# Altium PCB ArcadeTestHAT 05.PcbDoc (part 1 of 2)
Units mm, origin at the board's own origin, x right, y up, seen from the top; angles counter-clockwise.
Board outline 95 x 80.5 mm, 2 copper layers (Top Layer, Bottom Layer), stack 1.525 mm thick; 136 components, 129 nets, 475 pads, 218 vias.
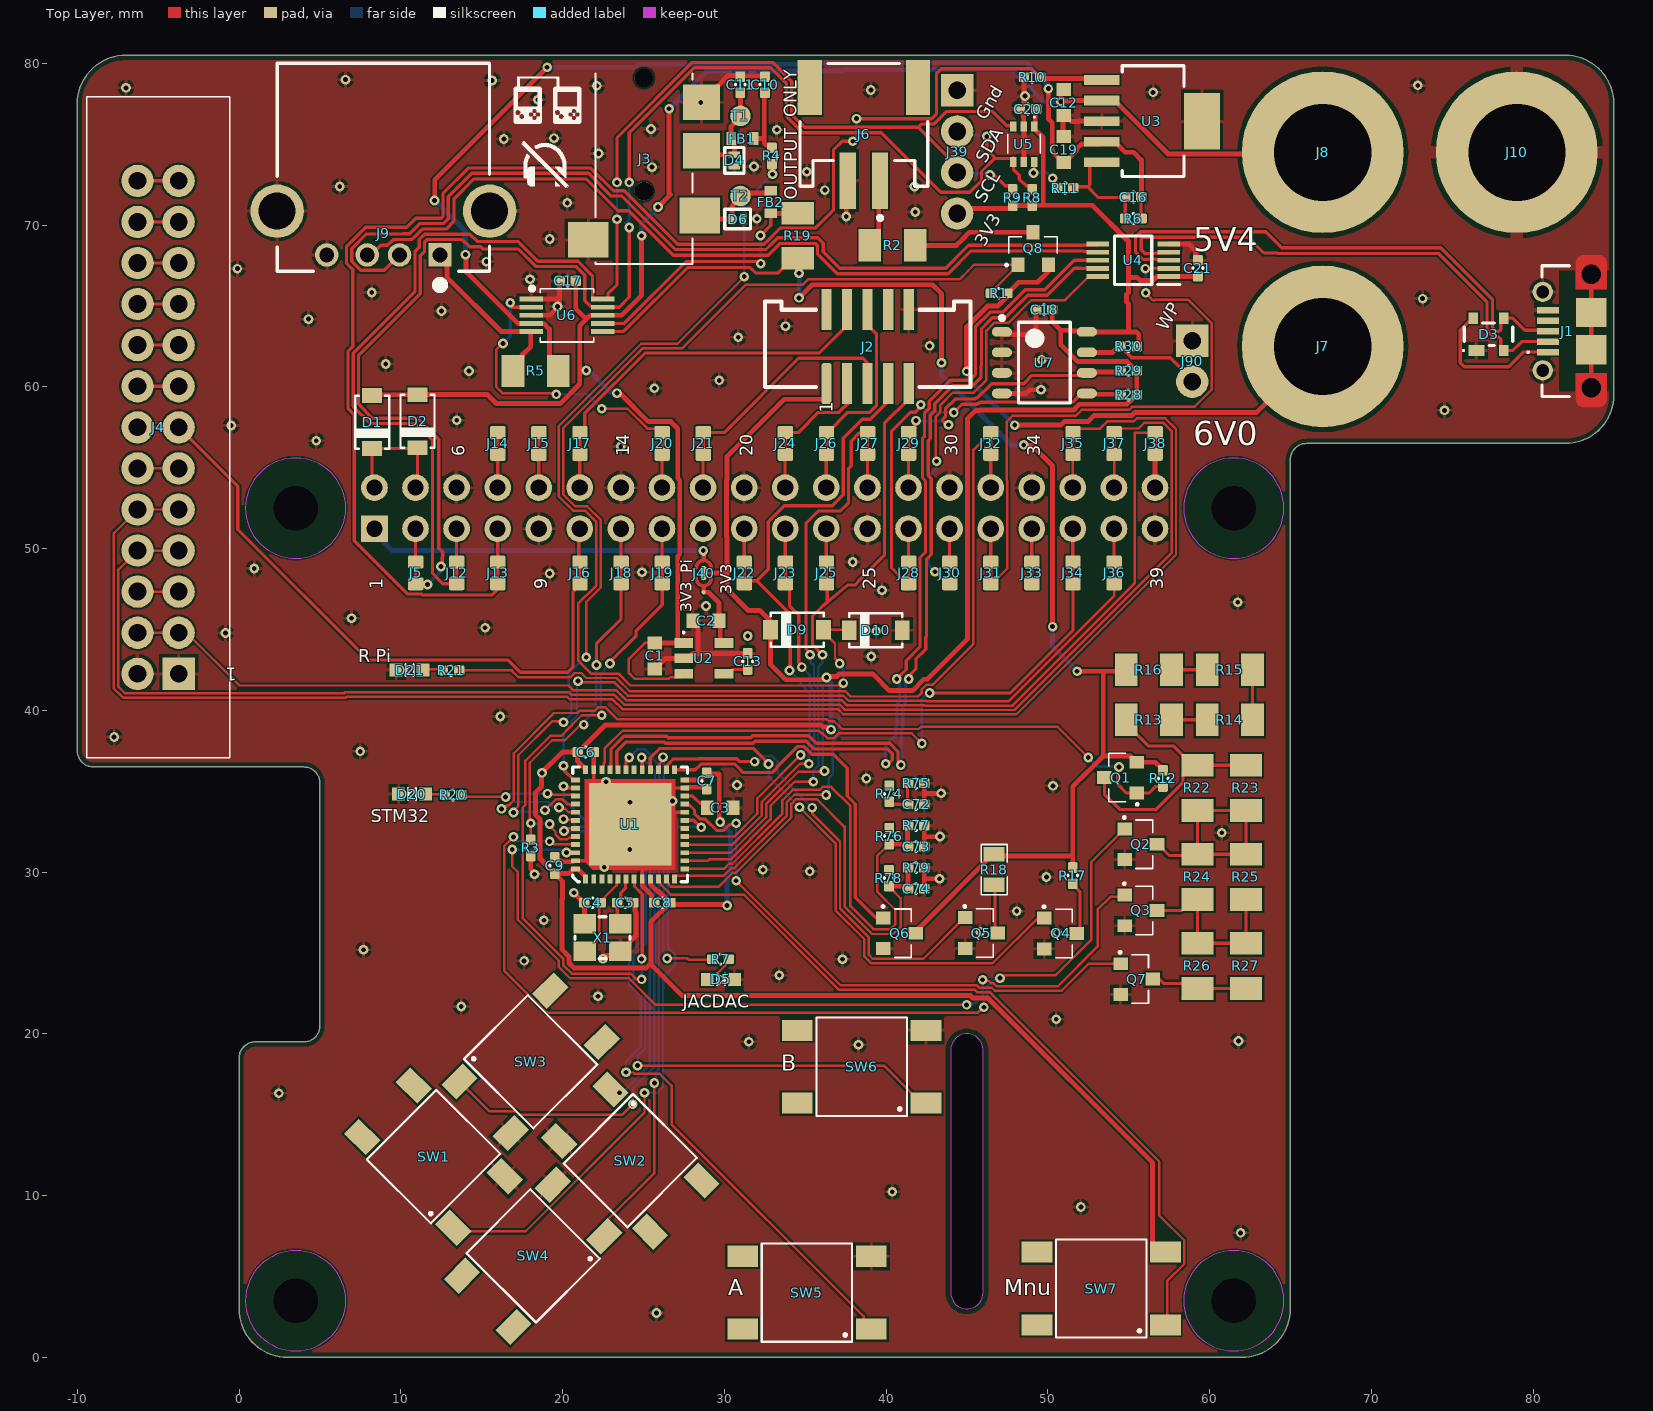
[diagram p0: Top Layer view]
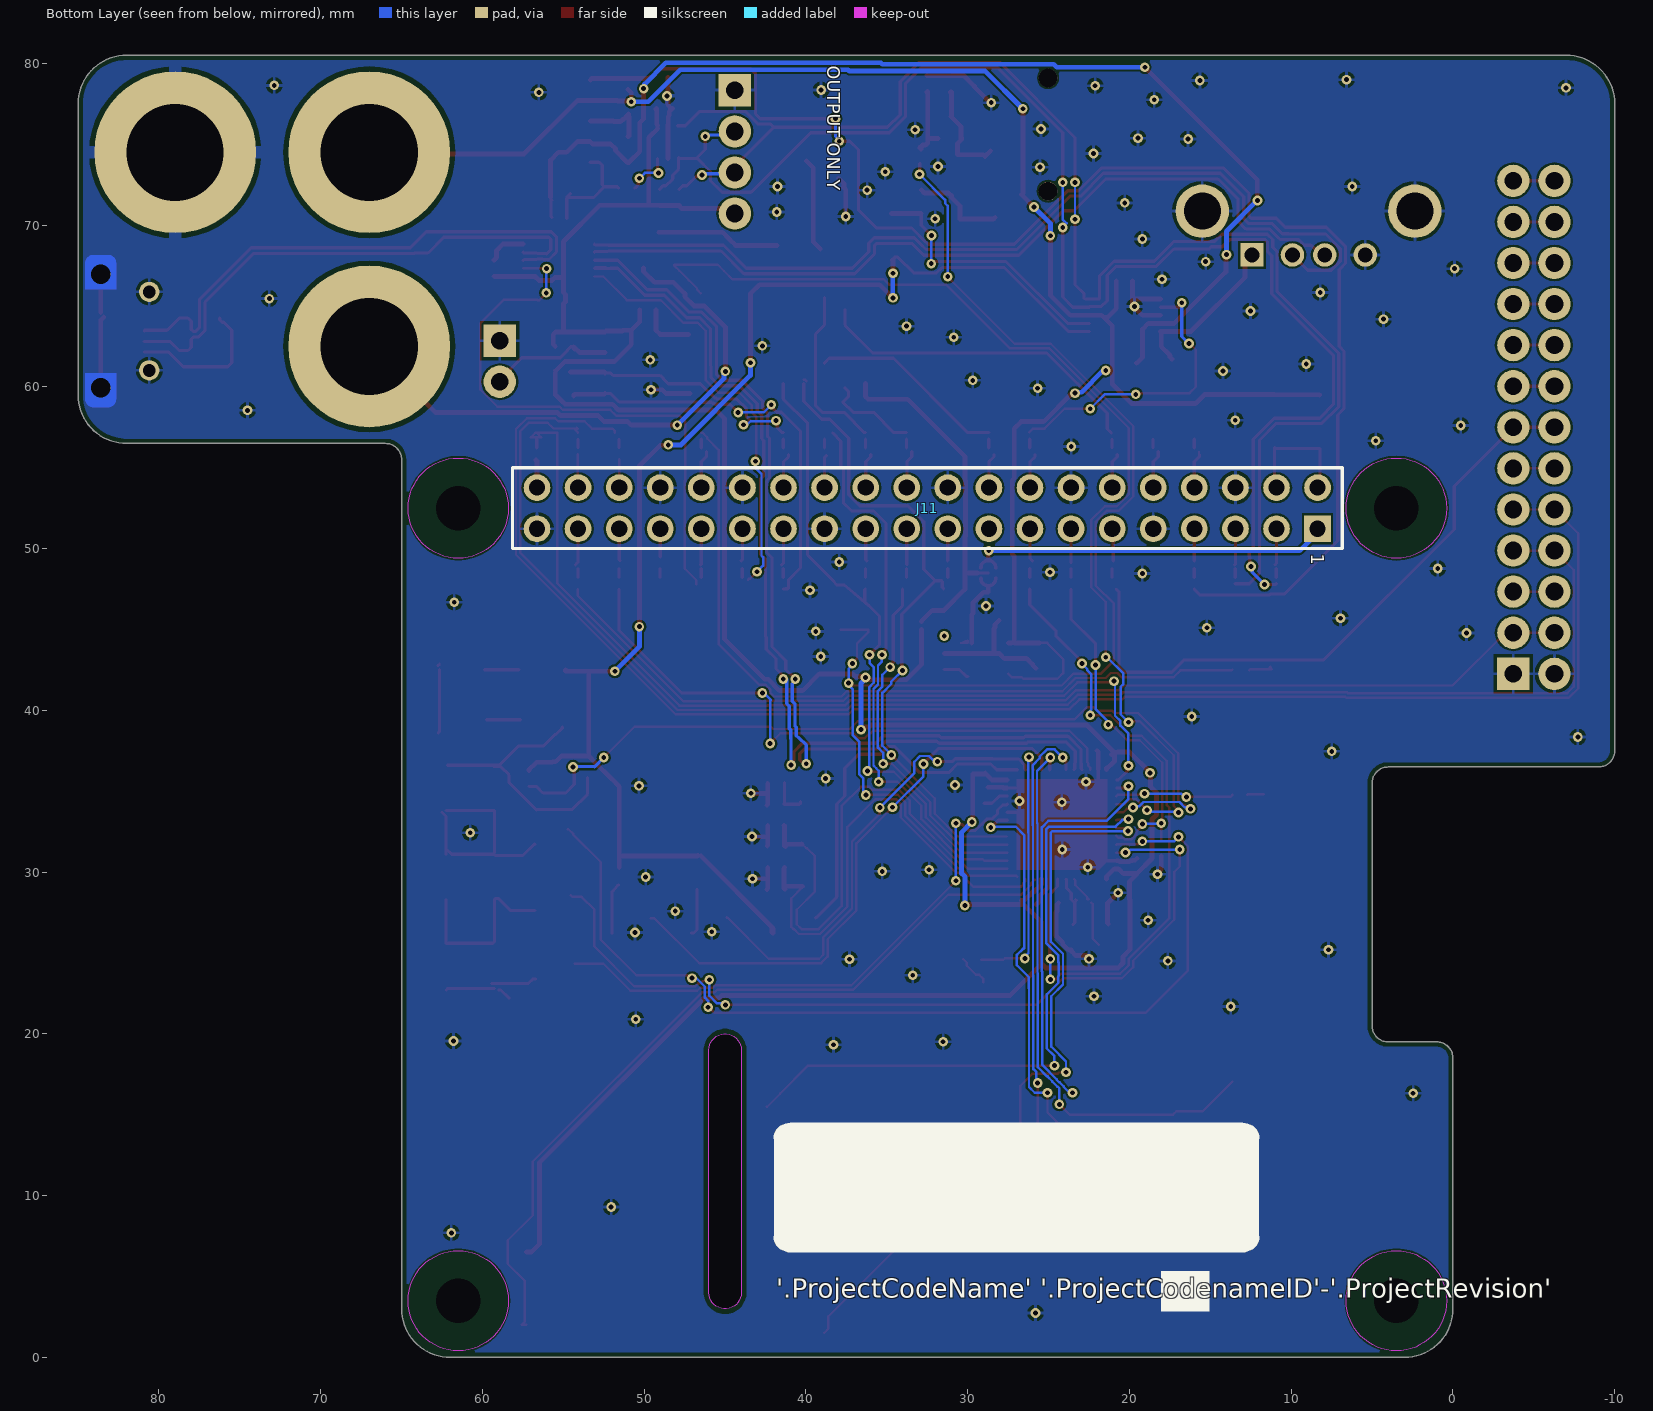
[diagram p1: Bottom Layer view, seen from below]

## Layer stack, top to bottom
Top Solder: solder mask 0.0102, Solder Resist, Dk 3.5
Top Layer: signal copper 0.0356
Dielectric 1: core 1.454, FR-4, Dk 4.2
Bottom Layer: signal copper 0.0356
Bottom Solder: solder mask 0.0102, Solder Resist, Dk 3.5

## Board outline
0,3 0,18.5 cw(c1,18.5) 1,19.5 4,19.5 ccw(c4,20.5) 5,20.5 5,35.5 ccw(c4,35.5) 4,36.5 -9,36.5 cw(c-9,37.5) -10,37.5 -10,77.5 cw(c-7,77.5) -7,80.5 82,80.5 cw(c82,77.5) 85,77.5 85,59.5 cw(c82,59.5) 82,56.5 66,56.5 ccw(c66,55.5) 65,55.5 65,3 cw(c62,3) 62,0 3,0 cw(c3,3)
cut-out: 44,4 ccw(c45,4) 46,4 46,19 ccw(c45,19) 44,19

## Design rules (kind name [scope] priority, off if disabled: settings)
AssemblyTestPointUsage [All] p1: valid=2
BoardOutlineClearance [All] p1: gap=0.3 ignorepadtopadclearanceinfootprint=FALSE except(0: Arc-SplitContinuation Track-SplitContinuation SMDPad-SplitContinuation THPad-SplitContinuation Via-SplitContinuation Fill-SplitContinuation Poly-SplitContinuation Region-SplitContinuation Text-SplitContinuation)
Clearance Clearance_1 [(InComponent('J7') OR InComponent('J8'))] p1: gap=0.3 ignorepadtopadclearanceinfootprint=FALSE
Clearance [All] p2: gap=0.125 ignorepadtopadclearanceinfootprint=FALSE except(0: Arc-Hole Track-Hole SMDPad-Hole THPad-Hole Via-Hole Fill-Hole Poly-Hole Region-Hole Text-Hole)
DiffPairsRouting [All] p1: maxlimit=0.2 minlimit=0.15 mostfreqgap=0.15 toplayer_minwidth=0.15 toplayer_maxwidth=0.2 toplayer_prefwidth=0.15 bottomlayer_minwidth=0.15 bottomlayer_maxwidth=0.2 bottomlayer_prefwidth=0.15 maxuncoupledlength=12.7
FabricationTestPointUsage [All] p1: valid=2 allowmultiple=FALSE
HoleSize [All] p1: absolutevalues=TRUE maxlimit=6.5 minlimit=0.2 maxpercent=80.000 minpercent=20.000
MinimumSolderMaskSliver [All] p1: minsoldermaskwidth=0.005
PasteMaskExpansion [All] p1: expansion=-0.03
PlaneClearance [All] p1: clearance=0.3
PlaneConnect [All] p1: planeconnectstyle=Relief reliefexpansion=0.5 reliefentries=4 reliefconductorwidth=0.2 reliefairgap=0.3
PolygonConnect "PolygonConnect via" [isVIA] p1: connectstyle=Relief reliefconductorwidth=0.2 reliefentries=4 polygonreliefangle="90 Angle" airgapwidth=0.2
PolygonConnect "PolygonConnect J10" [InComponent('J10')] p2: connectstyle=Relief reliefconductorwidth=0.8 reliefentries=4 polygonreliefangle="90 Angle" airgapwidth=0.3
PolygonConnect [All] p3: connectstyle=Relief reliefconductorwidth=0.2 reliefentries=4 polygonreliefangle="90 Angle" airgapwidth=0.2
RoomDefinition "ArcadeTestHAT 05-1.1 MCU" [InComponentClass('ArcadeTestHAT 05-1.1 MCU')] p1: confinementstyle=ConfineIn formatcopy=TRUE lockcomponents=FALSE outline -31.282,-12.192 101.092,-12.192 101.092,92.532 -31.282,92.532
RoomDefinition "ArcadeTestHAT 05-1.1 Pi interface" [InComponentClass('ArcadeTestHAT 05-1.1 Pi interface')] p2: confinementstyle=ConfineIn formatcopy=TRUE lockcomponents=FALSE outline -29.25,-14.224 103.124,-14.224 103.124,90.5 -29.25,90.5
RoutingVias [All] p1: holewidth=0.3 width=0.6 viastyle="Through Hole" minholewidth=0.3 minwidth=0.6 maxholewidth=0.3 maxwidth=0.8
SilkToSilkClearance [All] p1: silktosilkclearance=0.001
SilkToSolderMaskClearance [IsPad] p1: minsilkscreentomaskgap=0.05 clearancetoexposedcopper=TRUE
SolderMaskExpansion [All] p1: expansion=0.075 istentingtop=FALSE
Width Width_1 [InNetClass('power nets')] p1: maxlimit=2 minlimit=0.15 preferedwidth=0.3
Width [All] p2: maxlimit=2 minlimit=0.15 preferedwidth=0.15 minimp=50.000000 maximp=50.000000 favimp=50.000000
20 further rules are at their usual default settings.

## Classes and differential pairs
component class "ArcadeTestHAT 05-1.1 Pi interface": C1 C2 C12 C13 C16 C17 C18 C19 C20 C21 D1 D2 D3 D20 D21 J1 J2 J4 J5 J7 J8 J9 J10 J12 J13 J14 J15 J16 J17 J18 J19 J20 J21 J22 J23 J24 J25 J26 J27 J28 J29 J30 J31 J32 J33 J34 J35 J36 J37 J38 J39 J40 J90 R5 R6 R8 R9 R10 R11 R20 R21 R28 R29 R30 U2 U3 U4 U5 U6 U7
component class "ArcadeTestHAT 05-1.1 MCU": C3 C4 C5 C6 C7 C8 C9 C10 C11 C72 C73 C74 D4 D5 D6 D9 D10 FB1 FB2 J3 J6 Q1 Q2 Q3 Q4 Q5 Q6 Q7 Q8 R1 R2 R3 R4 R7 R12 R13 R14 R15 R16 R17 R18 R19 R22 R23 R24 R25 R26 R27 R74 R75 R76 R77 R78 R79 SW1 SW2 SW3 SW4 SW5 SW6 SW7 T1 T2 T12 U1 X1
differential pair USB: +USB_P -USB_N
differential pair MCU_USB: +MCU_USB_P -MCU_USB_N
differential pair DUT_USB: +DUT_USB_P -DUT_USB_N

## Components (designator, comment, footprint, x,y, rotation, side; value= is the part's Value field where it differs from the comment)
C1 "CL10A475KP8NNNC" "CAP 0603 (1608) x 1.2mm" 25.706,43.367 r90 top
C2 "CL10A475KP8NNNC" "CAP 0603 (1608) x 1.2mm" 28.875,45.55 r0 top
C3 "CL10A475KP8NNNC" "CAP 0603 (1608) x 1.2mm" 29.75,33.981 r180 top
C4 "CAP0402_GENERIC 12pF" CAP0402 21.852,28.107 r0 top value=12pF
C5 "CAP0402_GENERIC 12pF" CAP0402 23.884,28.107 r180 top value=12pF
C6 "0402YG104ZAT2A" CAP0402 21.432,37.42 r180 top
C7 "0402YG104ZAT2A" CAP0402 28.916,35.635 r90 top
C8 "0402YG104ZAT2A" CAP0402 26.174,28.107 r0 top
C9 "0402YG104ZAT2A" CAP0402 19.52,30.407 r270 top
C10 "CAP0402_GENERIC 33pF" CAP0402 32.512,78.682 r270 top value=33pF
C11 "DNF" CAP0402 30.988,78.682 r270 top value=33pF
C12 "CL10A475KP8NNNC" "CAP 0603 (1608) x 1.2mm" 51,77.576 r90 top
C13 "0402YG104ZAT2A" CAP0402 31.449,43.025 r270 top
C16 "CAP0402_GENERIC 12pF" CAP0402 55.288,71.733 r0 top value=12pF
C17 "0402YG104ZAT2A" CAP0402 20.32,66.548 r0 top
C18 "0402YG104ZAT2A" CAP0402 49.776,64.77 r0 top
C19 "CL10A475KP8NNNC" "CAP 0603 (1608) x 1.2mm" 51,74.672 r270 top
C20 "0402YG104ZAT2A" CAP0402 48.775,77.175 r0 top
C21 "0402YG104ZAT2A" CAP0402 59.284,67.335 r270 top
C72 "0402YG104ZAT2A" CAP0402 41.863,34.19 r180 top
C73 "0402YG104ZAT2A" CAP0402 41.863,31.582 r180 top
C74 "0402YG104ZAT2A" CAP0402 41.863,28.973 r180 top
D1 "MBRX120LF" "MCC SOD-123" 8.225,57.825 r90 top
D2 "MBRX120LF" "MCC SOD-123" 11.035,57.875 r90 top
D3 "DNF" NXP-SOT143B-4_V 77.25,63.25 r90 top
D4 "D5V0P1B2LP" D5V0P1B2LP-7B 30.625,74 r270 top
D5 "SML-D12D" "Rohm SML-D12 Orange" 29.794,23.368 r180 top
D6 "D5V0P1B2LP" D5V0P1B2LP-7B 30.825,70.375 r0 top
D9 "MBRX120LF" "MCC SOD-123" 34.5,44.992 r0 top
D10 "MBRX120LF" "MCC SOD-123" 39.37,44.958 r0 top
D20 "SML-D12D" "Rohm SML-D12 Orange" 10.693,34.823 r0 top
D21 "SML-D12D" "Rohm SML-D12 Orange" 10.541,42.494 r0 top
FB1 "TDK MPZ1608S102ATA00" "TDK MPZ1608 0.8mm" 31.125,75.35 r180 top
FB2 "TDK MPZ1608S102ATA00" "TDK MPZ1608 0.8mm" 32.875,71.425 r90 top
J1 "ZX62D-B-5PA8(30)-whitesch" HIRO-ZX62D-B-5PA8_V-noslots 82.102,63.448 r90 top
J2 "SHF-105-01-L-D-SM-whitesch" "SAMTEC SHF-105-01-L-D-SM - UPDATED SILKSCREEN" 38.862,62.484 r90 top
J3 "SJ2-3574A-SMT" SJ2-3574A-SMT-TR 25.035,81.396 r270 top
J4 "0.1\" shrouded" "GENERIC 2X13 2.54MM HEADER SHROUDED - ALTERNATIVE" -5,57.5 r270 top
J5 "0603-SHORT" 0603-WITH-SHORT 10.92,48.5 r270 top net-tie value=*R
J6 "S2B-PH-SM4-TB(LF)(SN) (originally from Octopart)" "JST- S2B-PH-SM4-TB(LF)(SN)-2_V" 38.632,76.198 r180 top
J7 "4mm" "4mm post red" 67,62.5 r0 top
J8 "4mm" "4mm post red" 67,74.5 r0 top
J9 "TE-292303" "TE-292303-1_V - MH WITH ENLARGED ANNULAR RING" 8.924,69.3 r180 top
J10 "4mm" "4mm post black" 79,74.5 r0 top
J11 "SSW-120-01-G-D" SAMTEC-SSW-120-01-G-D 32.5,52.5 r180 bottom
J12 "0603-SHORT" 0603-WITH-SHORT 13.46,48.5 r270 top net-tie value=*R
J13 "0603-SHORT" 0603-WITH-SHORT 16,48.5 r270 top net-tie value=*R
J14 "0603-SHORT" 0603-WITH-SHORT 16,56.5 r90 top net-tie value=*R
J15 "0603-SHORT" 0603-WITH-SHORT 18.54,56.5 r90 top net-tie value=*R
J16 "0603-SHORT" 0603-WITH-SHORT 21.08,48.5 r270 top net-tie value=*R
J17 "0603-SHORT" 0603-WITH-SHORT 21.08,56.5 r90 top net-tie value=*R
J18 "0603-SHORT" 0603-WITH-SHORT 23.62,48.5 r270 top net-tie value=*R
J19 "0603-SHORT" 0603-WITH-SHORT 26.16,48.5 r270 top net-tie value=*R
J20 "0603-SHORT" 0603-WITH-SHORT 26.16,56.5 r90 top net-tie value=*R
J21 "0603-SHORT" 0603-WITH-SHORT 28.7,56.5 r90 top net-tie value=*R
J22 "0603-SHORT" 0603-WITH-SHORT 31.24,48.5 r270 top net-tie value=*R
J23 "0603-SHORT" 0603-WITH-SHORT 33.78,48.5 r270 top net-tie value=*R
J24 "0603-SHORT" 0603-WITH-SHORT 33.78,56.5 r90 top net-tie value=*R
J25 "0603-SHORT" 0603-WITH-SHORT 36.32,48.5 r270 top net-tie value=*R
J26 "0603-SHORT" 0603-WITH-SHORT 36.32,56.5 r90 top net-tie value=*R
J27 "0603-SHORT" 0603-WITH-SHORT 38.86,56.5 r90 top net-tie value=*R
J28 "0603-SHORT" 0603-WITH-SHORT 41.4,48.5 r270 top net-tie value=*R
J29 "0603-SHORT" 0603-WITH-SHORT 41.4,56.5 r90 top net-tie value=*R
J30 "0603-SHORT" 0603-WITH-SHORT 43.94,48.5 r270 top net-tie value=*R
J31 "0603-SHORT" 0603-WITH-SHORT 46.48,48.5 r270 top net-tie value=*R
J32 "0603-SHORT" 0603-WITH-SHORT 46.48,56.5 r90 top net-tie value=*R
J33 "0603-SHORT" 0603-WITH-SHORT 49.02,48.5 r270 top net-tie value=*R
J34 "0603-SHORT" 0603-WITH-SHORT 51.56,48.5 r270 top net-tie value=*R
J35 "0603-SHORT" 0603-WITH-SHORT 51.56,56.5 r90 top net-tie value=*R
J36 "0603-SHORT" 0603-WITH-SHORT 54.1,48.5 r270 top net-tie value=*R
J37 "0603-SHORT" 0603-WITH-SHORT 54.1,56.5 r90 top net-tie value=*R
J38 "0603-SHORT" 0603-WITH-SHORT 56.64,56.5 r90 top net-tie value=*R
J39 "0.1\"" "Generic 1x4 2.54mm header" 44.4,75.794 r90 top
J40 "Three way open solder blob" ThreeWaySolderBlob 28.725,47.725 r90 top
J90 "0.1\"" "Generic 1x2 2.54mm header" 58.931,61.587 r90 top
Q1 "MOSFET P-CH 20V 4.2A SOT23" DIODES-SOT23-3 54.504,35.841 r180 top
Q2 "MOSFET N-CH 20V 2.8A SOT23" DIODES-SOT23-3 55.754,31.722 r0 top
Q3 "MOSFET N-CH 20V 2.8A SOT23" DIODES-SOT23-3 55.754,27.634 r0 top
Q4 "MOSFET N-CH 20V 2.8A SOT23" DIODES-SOT23-3 50.789,26.207 r0 top
Q5 "MOSFET N-CH 20V 2.8A SOT23" DIODES-SOT23-3 45.896,26.234 r0 top
Q6 "MOSFET N-CH 20V 2.8A SOT23" DIODES-SOT23-3 40.839,26.219 r0 top
Q7 "MOSFET N-CH 20V 2.8A SOT23" DIODES-SOT23-3 55.5,23.385 r0 top
Q8 "MOSFET P-CH 20V 4.2A SOT23" DIODES-SOT23-3 49.098,68.555 r90 top
R1 "MCWR04X1003FTL" RES0402 46.99,65.786 r180 top
R2 "KDV12FR050ET" RES1206 40.402,68.746 r0 top value=0R05
R3 "MCWR04X1003FTL" RES0402 18.034,31.496 r270 top
R4 "RES0402_GENERIC 220R" RES0402 32.95,74.275 r90 top value=220R
R5 "KDV12FR050ET" RES1206 18.339,60.985 r0 top value=0R05
R6 "75k" RES0402 55.296,70.409 r180 top
R7 "RES0402_GENERIC 100R" RES0402 29.769,24.613 r0 top value=100R
R8 "3k9" RES0402 49.047,71.704 r90 top
R9 "3k9" RES0402 47.828,71.704 r90 top
R10 "MCWR04X1003FTL" RES0402 49.026,79.14 r180 top
R11 "22k" RES0402 51.079,72.288 r180 top
R12 "MCWR04X1003FTL" RES0402 57.127,35.792 r270 top
R13 "ERJ-P08J2R0V" RES1206 56.254,39.412 r180 top
R14 "ERJ-P08J2R0V" RES1206 61.254,39.412 r0 top
R15 "ERJ-P08J2R0V" RES1206 61.254,42.508 r0 top
R16 "ERJ-P08J2R0V" RES1206 56.254,42.508 r180 top
R17 "1k" RES0402 51.545,29.785 r270 top
R18 "" RES0805 46.685,30.155 r270 top
R19 "KDV12FR050ET" RES1206 34.544,69.342 r90 top value=0R05
R20 "RES0402_GENERIC 100R" RES0402 13.233,34.773 r180 top value=100R
R21 "RES0402_GENERIC 100R" RES0402 13.106,42.469 r180 top value=100R
R22 "ERJ-P08J2R0V" RES1206 59.254,35.206 r270 top
R23 "ERJ-P08J2R0V" RES1206 62.254,35.206 r270 top
R24 "ERJ-P08J2R0V" RES1206 59.254,29.706 r270 top
R25 "ERJ-P08J2R0V" RES1206 62.254,29.706 r270 top
R26 "ERJ-P08J2R0V" RES1206 59.254,24.206 r270 top
R27 "ERJ-P08J2R0V" RES1206 62.254,24.206 r270 top
R28 "3k9" RES0402 55,59.5 r180 top
R29 "3k9" RES0402 55,61 r180 top
R30 "1k" RES0402 55,62.5 r180 top
R74 "MCWR04X1003FTL" RES0402 40.203,34.838 r270 top
R75 "MCWR04X1003FTL" RES0402 41.863,35.495 r0 top
R76 "MCWR04X1003FTL" RES0402 40.203,32.221 r270 top
R77 "MCWR04X1003FTL" RES0402 41.863,32.886 r0 top
R78 "MCWR04X1003FTL" RES0402 40.184,29.625 r270 top
R79 "MCWR04X1003FTL" RES0402 41.863,30.278 r0 top
SW1 "Tact Wurth 430152050826" "Wurth 430152050836-WIDE" 12.031,12.406 r135 top
SW2 "Tact Wurth 430152050826" "Wurth 430152050836-WIDE" 24.188,12.156 r315 top
SW3 "Tact Wurth 430152050826" "Wurth 430152050836-WIDE" 18.031,18.275 r45 top
SW4 "Tact Wurth 430152050826" "Wurth 430152050836-WIDE" 18.188,6.275 r225 top
SW5 "Tact Wurth 430152050826" "Wurth 430152050836-WIDE" 35.11,4 r180 top
SW6 "Tact Wurth 430152050826" "Wurth 430152050836-WIDE" 38.49,17.97 r180 top
SW7 "Tact Wurth 430152050826" "Wurth 430152050836-WIDE" 53.31,4.253 r180 top
T1 "TestPoint" Pad1.27mm 31,76.75 r0 top
T2 "TestPoint" Pad1.27mm 31,71.8 r0 top
U1 "ST STM32F411CEU6" "ST UFQFPN48 SEH" 24.18,32.95 r90 top
U2 "SPX3819M5-L-3-3_TR" MaxLinear-SOT95P280X145-5N 28.734,43.215 r0 top
U3 "TPS79601DCQR" TPS79633DCQR 53.338,76.429 r270 top
U4 "FSUSB42MUX" ON_SEMI-MSOP-10 55.281,67.823 r180 top
U5 "MCP4018T-502E/LT" "MICROCHIP-SC70-6 - MAX" 48.525,75 r270 top
U6 "ADS1115IDGST" ADS1115IDGST 20.275,64.425 r270 top
U7 "CAT24C32WI-GT3" ONSC-SOIC-8-751BD-01_L 49.791,61.497 r0 top
X1 "24MHz SMD xtal 3.2x2.5mm" "generic xtal 3.2x2.5" 22.478,25.945 r0 top

## Footprints (in the part's own frame and the unit in brackets; to place one, negate y for a bottom-side part, rotate by r counter-clockwise, add the part's x,y. Pads: shape width x height; smd on the part's side, far side on the other; paste and mask are expansions set on the pad)
"4mm post black" [mm] "1.27mm dia round pad"
  round 10 hole 6 paste-2.5: 1(0,0)
  body extent -5.5,-5.55 5.5,5.45, height 7.6
"4mm post red" [mm] "1.27mm dia round pad"
  round 10 hole 6 paste-2.5: 1(0,0)
  body extent -5.5,-5.55 5.5,5.45, height 7.6
0603-WITH-SHORT [mm]
  rrect25% 0.8x0.95 smd paste-0.5: 1(-0.675,0)
  rrect20% 0.8x0.95 smd paste-0.5: 2(0.675,0)
  Top Layer lines w0.2: 0.275,0 -0.275,0
ADS1115IDGST [mm]
  rect 0.3x1.45 smd: 1(-1,-2.2) 2(-0.5,-2.2) 3(0,-2.2) 4(0.5,-2.2) 5(1,-2.2) 6(1,2.2) 7(0.5,2.2) 8(0,2.2) 9(-0.5,2.2) 10(-1,2.2)
  silkscreen extent -1.78,-2.29 1.65,1.65, body extent -1.55,-2.53 1.55,2.53, height 1.09
CAP0402 [mm] "Chip Capacitor 0402"
  rrect25% 0.65x0.6 smd: 1(-0.5,0) 2(0.5,0)
  silkscreen extent -0.03,-0.3 0.03,0.3, body extent -0.53,-0.28 0.53,0.27, height 0.5
"CAP 0603 (1608) x 1.2mm" [mm] "murata largest recogmended dimentions for 1608 +-0.2mm"
  rect 0.8x0.9 smd: 1(-0.8,0) 2(0.8,0)
  body extent -0.9,-0.5 0.9,0.5, height 1.2
D5V0P1B2LP-7B [mm] "DFN, 2-Leads, Body 0.60x1.01mm, Pitch 0.75mm, IPC Medium Density"
  rect 0.4x0.7 smd: 1(-0.35,0) 2(0.35,0)
  silkscreen extent -0.8,-0.6 0.8,0.6, body extent -0.5,-0.3 0.5,0.3, height 0.53
DIODES-SOT23-3 [mm] "SOT23, 3-Leads, Body 2.90x2.45mm, Pitch 0.95mm, IPC Medium Density"
  rect 0.9x0.8 smd: 1(-1,0.95) 2(-1,-0.95) 3(1,0)
  silkscreen extent -1.07,-1.5 0.73,1.7, body extent -1.27,-1.5 1.23,1.5, height 1.1
"Generic 1x2 2.54mm header" [mm] "1x2 2.54mm  0.1\" header vertial TH header"
  rect 2x2 hole 1.1: 1(1.27,0)
  round 2 hole 1.1: 2(-1.27,0)
  body extent -2.54,-1.27 2.54,1.27, height 8.65
"Generic 1x4 2.54mm header" [mm] "1x4 2.54mm 0.1\" header vertical th"
  rect 2x2 hole 1.1: 1(2.54,0)
  round 2 hole 1.1: 2(0,0) 3(-2.54,0) 4(-5.08,0)
  body extent -6.35,-1.27 3.81,1.27, height 8.65
"GENERIC 2X13 2.54MM HEADER SHROUDED - ALTERNATIVE" [mm] "13x2 2.54mm 0.1\" shrouded header vertical TH"
  rect 2x2 hole 1.1: 1(15.24,1.27)
  round 2 hole 1.1: 2(15.24,-1.27) 3(12.7,1.27) 4(12.7,-1.27) 5(10.16,1.27) 6(10.16,-1.27) 7(7.62,1.27) 8(7.62,-1.27) 9(5.08,1.27) 10(5.08,-1.27) 11(2.54,1.27) 12(2.54,-1.27) 13(0,1.27) 14(0,-1.27) 15(-2.54,1.27) 16(-2.54,-1.27) 17(-5.08,1.27) 18(-5.08,-1.27) 19(-7.62,1.27) 20(-7.62,-1.27) 21(-10.16,1.27) 22(-10.16,-1.27) 23(-12.7,1.27) 24(-12.7,-1.27) 25(-15.24,1.27) 26(-15.24,-1.27)
  silkscreen extent -20.43,-4.43 20.43,4.43, body extent -20.43,-4.42 20.43,4.43, height 8.85
"generic xtal 3.2x2.5" [mm] "rystal SMD 3.2mm x 2.5mm"
  rect 1.4x1.2 smd: 1(-1.1,-0.85) 2(1.1,-0.85) 3(1.1,0.85) 4(-1.1,0.85)
  silkscreen extent -1.7,-1.3 1.7,1.3, body extent -1.6,-1.25 1.6,1.25, height 0.7
HIRO-ZX62D-B-5PA8_V-noslots [mm] "SMD, 5-Leads, Body 7.5x5mm, Pitch 0.65mm"
  rect 0.4x1.35 smd: 1(-1.3,1.175) 2(-0.65,1.175) 3(0,1.175) 4(0.65,1.175) 5(1.3,1.175)
  round 1.25 hole 0.8: 6(-2.425,1.5) 7(2.425,1.5)
  oval 0.525x1.2 hole 1.2: 8(-3.512,-1.5) 11(3.512,-1.5)
  rect 1.8x1.9 smd: 9(-1.15,-1.5) 10(1.15,-1.5)
  Top Layer region: 4.2,-2.45 4.391,-2.412 4.554,-2.304 4.662,-2.141 4.7,-1.95 4.7,-1.95 4.7,-1.05 4.662,-0.859 4.554,-0.696 4.391,-0.588 4.2,-0.55 4.2,-0.55 2.6,-0.55 2.6,-2.45
  Top Layer region: -4.2,-2.45 -4.391,-2.412 -4.554,-2.304 -4.662,-2.141 -4.7,-1.95 -4.7,-1.95 -4.7,-1.05 -4.662,-0.859 -4.554,-0.696 -4.391,-0.588 -4.2,-0.55 -4.2,-0.55 -2.6,-0.55 -2.6,-2.45
  Top Layer pour cut-out: -3.75,0.5 -3.75,-2.95 3.75,-2.95 3.75,0.5
  Bottom Layer region: 4.2,-2.45 4.391,-2.412 4.554,-2.304 4.662,-2.141 4.7,-1.95 4.7,-1.95 4.7,-1.05 4.662,-0.859 4.554,-0.696 4.391,-0.588 4.2,-0.55 4.2,-0.55 2.6,-0.55 2.6,-2.45
  Bottom Layer region: -4.2,-2.45 -4.391,-2.412 -4.554,-2.304 -4.662,-2.141 -4.7,-1.95 -4.7,-1.95 -4.7,-1.05 -4.662,-0.859 -4.554,-0.696 -4.391,-0.588 -4.2,-0.55 -4.2,-0.55 -2.6,-0.55 -2.6,-2.45
  silkscreen extent -4.05,-0.15 4.05,2.45, body extent -4.05,-4.25 4.05,1.55, height 2.75
"JST- S2B-PH-SM4-TB(LF)(SN)-2_V" [mm] "SMD, 2-Leads, Body 7.9x7.6mm, Pitch 2mm"
  rect 1x3.5 smd: 1(-1,3.45) 2(1,3.45)
  rect 1.5x3.4 smd: M1(-3.35,-2.3) M2(3.35,-2.3)
  silkscreen extent -3.95,-3.8 3.95,5.87, body extent -3.95,-3.8 3.95,4.8, height 5.6
MaxLinear-SOT95P280X145-5N [mm]
  rect 1.15x0.6 smd: 1(-1.25,0.95) 2(-1.25,0) 3(-1.25,-0.95) 4(1.25,-0.95) 5(1.25,0.95)
  silkscreen extent -1.3,1.55 -1.2,1.65, body extent -1.4,-1.45 1.4,1.45, height 1.45
"MCC SOD-123" [mil] "SOD-123"
  rect 36x48 smd: 1(-64.5,0) 2(64.5,0)
  silkscreen extent -64,-41 64,41, body extent -76,-33 76,34, height 56
"MICROCHIP-SC70-6 - MAX" [mm] "6-Lead Thin Shrink Small Outline Transistor Package (SC70)"
  rect 0.6x0.4 smd: 1(-1.1,0.65) 2(-1.1,0) 3(-1.1,-0.65) 4(1.1,-0.65) 5(1.1,0) 6(1.1,0.65)
  silkscreen extent -1.71,-1 0.55,1, body extent -1.05,-1 1.05,1, height 0.92
NXP-SOT143B-4_V [mm] "SOT143, 4-Leads, Body 3x1.4mm"
  rect 0.7x1 smd: 1(-1,0.75)
  rect 0.7x0.6 smd: 2(-1,-0.95) 3(1,-0.95) 4(1,0.95)
  silkscreen extent -1.05,-1.5 0.7,1.6, body extent -1.18,-1.45 1.18,1.45, height 1.22
ON_SEMI-MSOP-10 [mm] "QFN, 10-Leads, Body 1.8x1.4mm"
  rect 1.4x0.3 smd: 1(-2.2,1) 2(-2.2,0.5) 3(-2.2,0) 4(-2.2,-0.5) 5(-2.2,-1) 6(2.2,-1) 7(2.2,-0.5) 8(2.2,0) 9(2.2,0.5) 10(2.2,1)
  silkscreen extent -2.9,-1.5 1.15,1.5, body extent -2.45,-1.5 2.45,1.5, height 1.1
ONSC-SOIC-8-751BD-01_L [mm] "SOIC, 8-Leads, Body 4.90x3.90mm, Pitch 1.27mm, IPC High Density"
  oval 1.25x0.6 smd: 1(-2.625,1.905) 2(-2.625,0.635) 3(-2.625,-0.635) 4(-2.625,-1.905) 5(2.625,-1.905) 6(2.625,-0.635) 7(2.625,0.635) 8(2.625,1.905)
  silkscreen extent -2.75,-2.5 1.6,2.88, body extent -3,-2.5 3,2.5, height 1.75
Pad1.27mm [mm] "1.27mm dia round pad"
  round 1.27 smd paste-2.54: 1(0,0)
RES0402 [mm] "Chip Resistor 0402"
  rrect25% 0.65x0.6 smd: 1(-0.5,0) 2(0.5,0)